# Altium PCB CNC_controller.PcbDoc (part 2 of 2)
Units mil, origin at the board's own origin, x right, y up, seen from the top; angles counter-clockwise.
Board outline 3937.01 x 3425.2 mil, 2 copper layers (Top Layer, Bottom Layer); 117 components, 108 nets, 430 pads, 175 vias.
Unrouted connection lines stored in the file: 30.
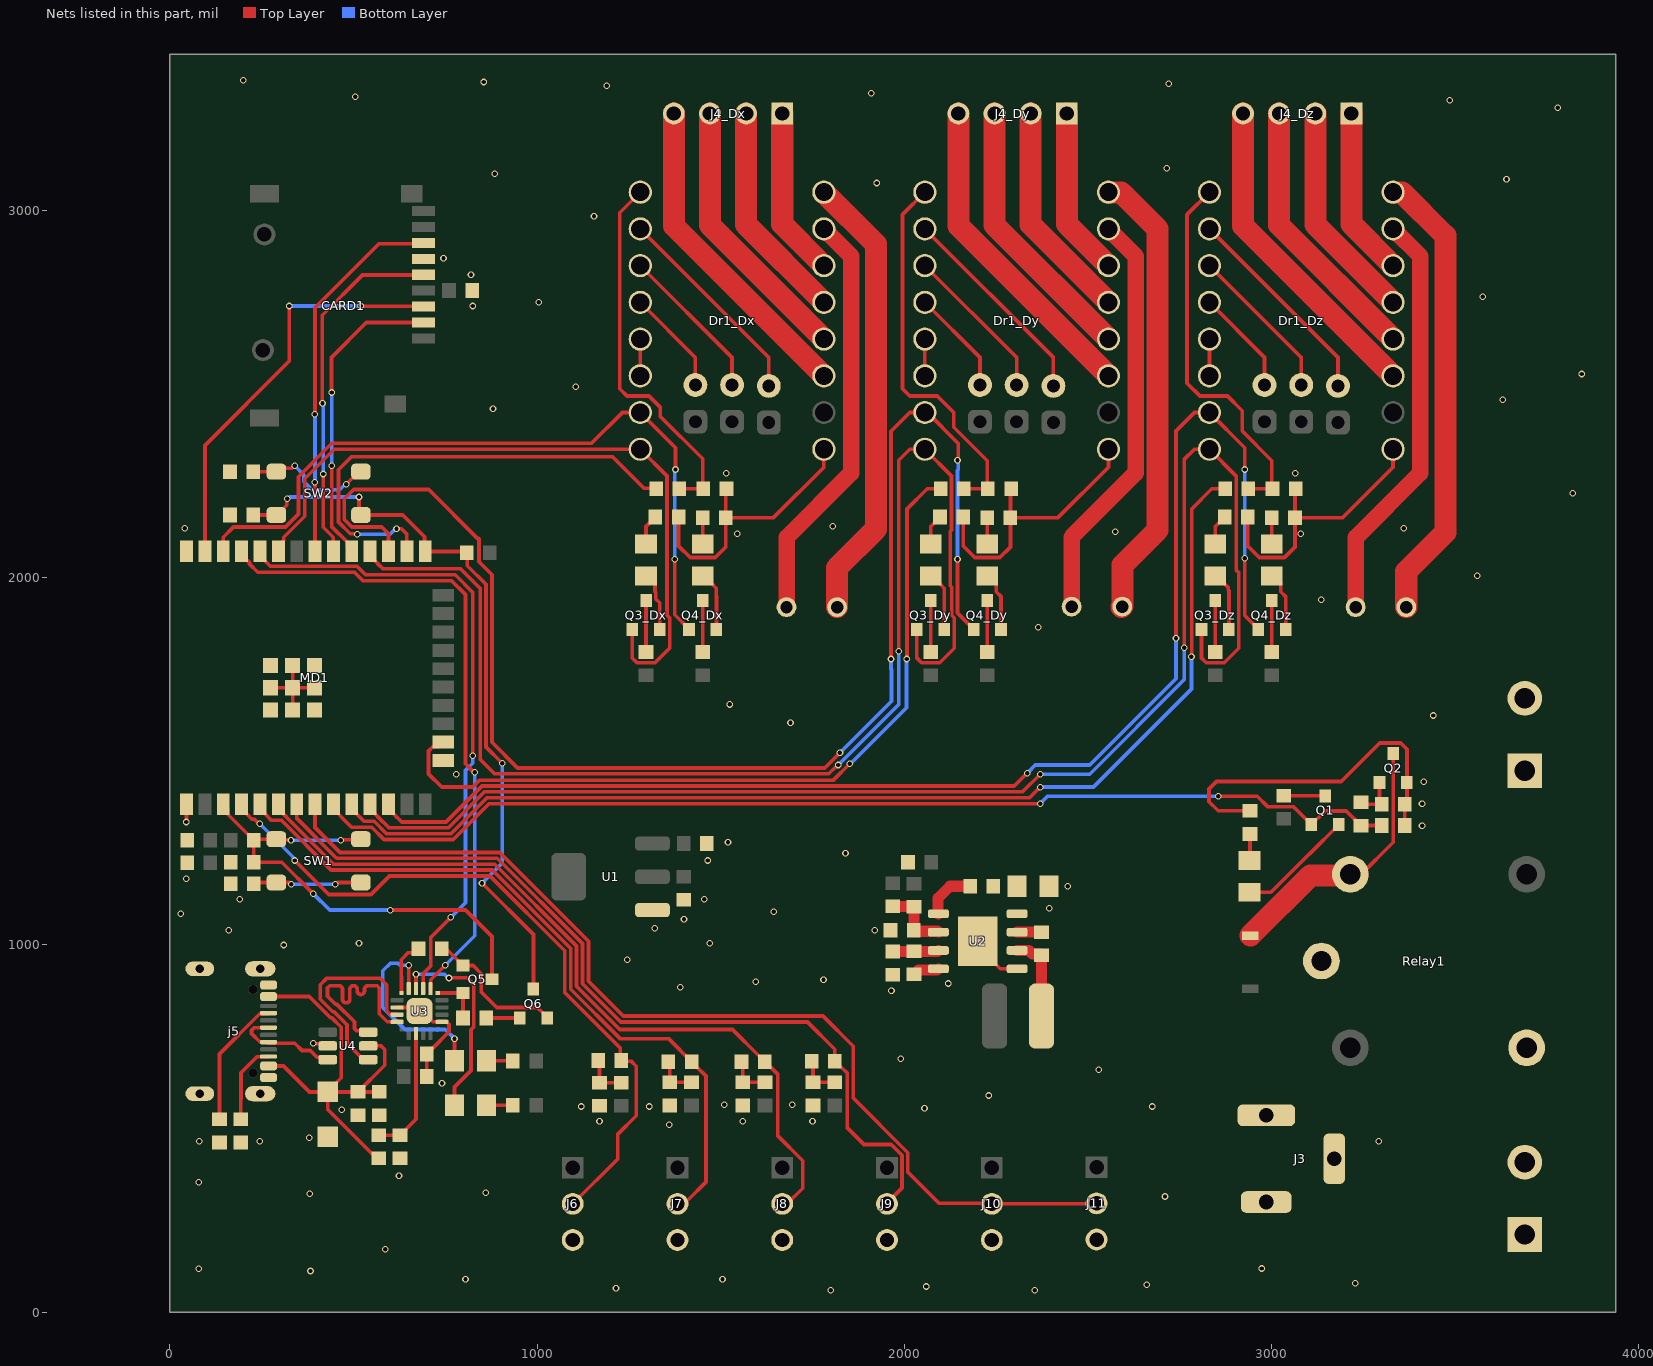
[diagram p2: the nets of this part, all layers, seen from the top]

## Via types
v1: diameter 18, hole 12, Top Layer to Bottom Layer, 175 vias

## Nets (pads, with @x,y where several pads share a name; then routed paths per layer and width w, separated by ;. In a path a pad name is that pad's centre, name@x,y a point inside that pad or via, vN(x,y) a via of type N, cw(c..) or ccw(c..) an arc to the next point about the centre after c; other vN are vias at no path point) (continued)
C_D_P: j5.A6 j5.B6 U4.3 | length 297.7
  Top Layer w10: j5.A6@271.41,775 230,775 222.34,767.34 222.34,759.05 246.39,735 266.3,735 268.6,732.69 339.93,732.69 359.91,712.71 382.29,712.71 400.72,694.28 423.27,694.28 U4.3@429.95,687.6
CS_SD: CARD1.2 MD1.29 | length 846.2
  Top Layer w10: v1(440.36,2504.64) 440,2505 440,2600 535,2695 CARD1.2@695.35,2695 ; v1(440.73,2305) 440.36,2304.64 440.36,2139.64 482.88,2097.12 482.88,2084.26 MD1.29@495.38,2071.76
  Bottom Layer w10: v1(440.36,2504.64) 440.36,2305.36 v1(440.73,2305)
D_N: U3.5 U4.6 | length 566.2
  Top Layer w10: U4.6@540.19,762.4 536.05,766.54 508.4,766.54 502.54,772.39 502.54,790.85 455.19,838.2 451.56,838.2 429.13,860.63 429.13,883.14 434.99,889 459.99,889 cw(c459.99,879) 469.99,879 469.99,852.2 ccw(c479.99,852.2) 489.99,852.2 489.99,879 cw(c499.99,879) 509.99,879 509.99,875.28 ccw(c519.99,875.28) 529.99,875.28 529.99,879 cw(c539.99,879) 539.99,889 564.4,889 569.09,884.31 570.26,883.14 570.26,812.83 592.02,791.06 606.26,791.06 607.17,790.16 U3.5@618.98,790.16
D_P: U3.4 U4.4 | length 567
  Top Layer w10: U4.4@540.19,687.6 527.32,687.6 482.54,732.38 482.54,782.56 446.91,818.2 443.28,818.2 409.13,852.35 409.13,891.43 426.7,909 484.78,909 572.69,909 590.26,891.43 590.26,821.11 600.31,811.06 618.07,811.06 U3.4@618.98,810.16
DIR_Dx: Dr1_Dx.8 MD1.33 Q3_Dx.1 | length 1950.5
  Top Layer w10: MD1.33@295.38,2071.76 307.88,2084.26 307.88,2100 310,2102.11 310,2110 367.55,2167.55 367.55,2269.92 447.63,2350 Dr1_Dx.8@1281.02,2350 1353.6,2277.42 1353.6,1898.13 1360.85,1890.88 1360.85,1808.04 1321.26,1768.45 1272.14,1768.45 1259.3,1781.29 Q3_Dx.1@1259.3,1858.79
DIR_Dy: Dr1_Dy.8 MD1.28 Q3_Dy.1 | length 3576.1
  Top Layer w10: MD1.28@545.38,2071.76 545.38,2059.76 566.88,2038.26 566.88,2037.7 580.38,2024.21 681.05,2024.21 791.34,2024.21 845,1970.55 845,1505 884,1466 1794.49,1466 1818.49,1490 v1(1820,1490) ; v1(1985,1800) 1985,2320 2015,2350 Dr1_Dy.8@2056.02,2350 2128.6,2277.42 2128.6,2129.64 2125,2126.04 2125,1978.27 2129,1974.27 2129,1897.73 2135.85,1890.88 2135.85,1808.04 2096.26,1768.45 2047.14,1768.45 2034.3,1781.29 Q3_Dy.1@2034.3,1858.79
  Bottom Layer w10: v1(1820,1490) 1985,1655 v1(1985,1800)
DIR_Dz: Dr1_Dz.8 MD1.11 Q3_Dz.1 | length 3873.7
  Top Layer w10: MD1.11@545.38,1382.78 545.38,1370.78 566.88,1349.28 566.88,1348.72 596.61,1319 758.75,1319 856.75,1417 2322,1417 v1(2370,1465) ; v1(2762,1809) 2762,2322 2790,2350 Dr1_Dz.8@2831.02,2350 2903.6,2277.42 2903.6,2021.4 2910.85,2014.15 2910.85,1808.04 2871.26,1768.45 2822.15,1768.45 2809.3,1781.29 Q3_Dz.1@2809.3,1858.79
  Bottom Layer w10: v1(2370,1465) 2505,1465 2762,1722 v1(2762,1809)
DTR: R28.2 U3.1 | length 150.4
  Top Layer w10: U3.1@630.73,869.27 630.73,913.84 630,914.57 630,959.84 649.36,979.2 666.2,979.2 R28.2@677,990
EN_Dx: Dr1_Dx.1 R13_Dx.2 R14_Dx.2 | length 1037.7
  Top Layer w10: Dr1_Dx.1@1281.02,3050 1225,2993.99 1225,2515 1245,2495 1305,2495 1335,2465 1335,2440 1451,2324 R14_Dx.2@1451,2242.33 ; R13_Dx.2@1387.1,2242.33 R14_Dx.2@1451,2242.33 ; R14_Dx.2@1451,2230 R14_Dx.2@1451,2242.33 ; R14_Dx.2@1452.8,2242.33 R14_Dx.2@1451,2242.33
EN_Dy: Dr1_Dy.1 R13_Dy.2 R14_Dy.2 | length 1050.6
  Top Layer w10: Dr1_Dy.1@2056.02,3050 1995,2988.99 1995,2515 2015,2495 2090,2495 2135,2450 2135,2410 2226,2319 R14_Dy.2@2226,2242.33 ; R13_Dy.2@2162.1,2242.33 R14_Dy.2@2226,2242.33 ; R14_Dy.2@2226,2230 R14_Dy.2@2226,2242.33 ; R14_Dy.2@2227.8,2242.33 R14_Dy.2@2226,2242.33
EN_Dz: Dr1_Dz.1 R13_Dz.2 R14_Dz.2 | length 1050.6
  Top Layer w10: Dr1_Dz.1@2831.02,3050 2770,2988.99 2770,2530 2805,2495 2880,2495 2920,2455 2920,2400 3001,2319 R14_Dz.2@3001,2242.33 ; R13_Dz.2@2937.1,2242.33 R14_Dz.2@3001,2242.33 ; R14_Dz.2@3001,2230 R14_Dz.2@3001,2242.33 ; R14_Dz.2@3002.8,2242.33 R14_Dz.2@3001,2242.33
ESP32_EN: C13.1 MD1.3 Q5.3 R15.1 SW1.2 | length 1337.5
  Top Layer w10: MD1.3@145.38,1382.78 157.88,1370.28 157.88,1355.79 213.23,1300.44 214.73,1300.44 228.23,1286.94 R15.1@228.23,1285.44 ; v1(329.85,1284.85) 328.32,1286.38 291.58,1286.38 SW1.2@289.84,1288.11 230.9,1288.11 R15.1@228.23,1285.44 ; v1(390,1140) 304.96,1225.04 C13.1@228.23,1225.04 R15.1@228.23,1285.44 ; v1(465,1285) 466.53,1286.53 518.58,1286.53 SW1.2@520.16,1288.11 ; v1(600,1095) 805,1095 876.97,1023.03 Q5.3@876.97,906.61
  Bottom Layer w10: v1(329.85,1284.85) 329.92,1284.92 464.92,1284.92 v1(465,1285) ; v1(390,1140) 435,1095 v1(600,1095)
GND: C1.2 C4.2 C5.2 C6.2 C7.2 C8.2 C9_Dx.2 C9_Dy.2 C9_Dz.2 C10.2 C11.2 C12.2 C13.2 C14.2 C15.2 C16.2 C17.2 C18.2 CARD1.6 D7.2 Dr1_Dx.10 Dr1_Dx.16 Dr1_Dy.10 Dr1_Dy.16 Dr1_Dz.10 Dr1_Dz.16 J3.2 J3.3 j5.0 j5.A1/B12 j5.B1/A12 J6.3 J7.3 J8.3 J9.3 J10.3 J11.3 MD1.1 MD1.15 MD1.38 MD1.39 MD1.40 MD1.41 MD1.42 MD1.43 MD1.44 MD1.45 MD1.46 MD1.47 Q2.2 R3.2 R4.1 R8.1 R11_Dx.1 R11_Dy.1 R11_Dz.1 R12_Dx.1 R12_Dy.1 R12_Dz.1 R14_Dx.1 R14_Dy.1 R14_Dz.1 R20.1 R21.1 R22.1 R29.1 R30.1 R31.1 R35.1 R36.1 R38.1 U1.1 U2.5 U2.9 U3.3 U3.12 U3.21 U4.2 | length 7427.5
  Top Layer w10: v1(45,1335) 45,1382.4 MD1.1@45.38,1382.78 MD1.1@47.23,1380.93 ; MD1.47@274.32,1700.5 MD1.39@334.36,1700.5 ; MD1.41@334.36,1640.46 MD1.39@334.36,1700.5 ; MD1.45@334.36,1760.54 MD1.39@334.36,1700.5 ; v1(390.57,732.71) 392.1,731.18 423.7,731.18 U4.2@429.88,725 ; MD1.43@394.4,1700.5 MD1.39@334.36,1700.5 ; U3.3@618.98,829.84 670.16,829.84 U3.21@680,820 686.88,820 715.79,791.09 U3.12@741.02,791.09 ; C18.2@699.89,641.76 699.89,704.76 713.39,718.26 714.89,718.26 760,763.37 760,783.42 754.14,789.28 754.03,789.28 752.84,790.47 U3.12@741.02,790.47 ; R11_Dx.1@1385.3,2165.31 1385.3,2086.64 1416.91,2055.02 1485.08,2055.02 1514,2083.94 R14_Dx.1@1514,2242.33 ; R12_Dx.1@1514,2163.81 1643.81,2163.81 1781.02,2301.02 Dr1_Dx.16@1781.02,2350 ; R11_Dy.1@2160.3,2165.31 2160.3,2086.64 2191.91,2055.02 2260.08,2055.02 2289,2083.94 R14_Dy.1@2289,2230 ; U2.9@2200,1010 2200,996.42 2260.98,935.44 2306.85,935.44 U2.5@2307.28,935 ; R12_Dy.1@2289,2163.81 2418.81,2163.81 2556.02,2301.02 Dr1_Dy.16@2556.02,2350 ; R11_Dz.1@2935.3,2165.31 2935.3,2086.64 2966.91,2055.02 3035.08,2055.02 3064,2083.94 R14_Dz.1@3064,2230 ; R4.1@2941.45,1365.19 2854.81,1365.19 2829.81,1390.19 2829.81,1424.81 2850,1445 3190,1445 3294.81,1549.81 3351.8,1549.81 3368.9,1532.71 Q2.2@3368.9,1442.35 3368.9,1388.9 R3.2@3363,1383 C1.2@3363,1325.14 ; R12_Dz.1@3064,2163.81 3193.81,2163.81 3331.02,2301.02 Dr1_Dz.16@3331.02,2350
  Top Layer w45: C9_Dx.2@1680,1923.9 1680,2110 1855,2285 1855,2876.02 Dr1_Dx.10@1781.02,2950 ; C9_Dy.2@2455.63,1921.43 2455.63,2110.63 2630,2285 2630,2876.02 Dr1_Dy.10@2556.02,2950 ; C9_Dz.2@3230,1924.16 3230,2110 3405,2285 3405,2876.02 Dr1_Dz.10@3331.02,2950
  other v1: 1800,60 2355,60 1215,65 2060,70 2660,75 3228.35,78.74 805,90 1505,90 383,112 78.74,118.11 2973,119 587,171 2710,315 381,322 860,325 78.74,354.33 624,371 80,465 245,465 3292,465 380,475 1360,510 1170,520 1560,520 1750,520 468,551 2055,555 1120,560 1305,560 2675,560 1510,565 1695,565 2230,590 741,623 2530,660 1990,690 1965,875 1390,885 2120,895 1595,900 1780,905 1245,960 310,1000 515,1005 1470,1005 160,1040 1920,1040 1320,1045 1400,1070 30,1085 1645,1090 2395,1100 190,1125 1455,1125 2445,1160 45,1180 1465,1230 1840,1250 1520,1280 3410,1325 3410,1385 3415,1445 780,1465 1690,1605 3440,1625 1525,1655 2365,1865 3135,1940 3560,2005 1545,2120 3080,2120 2575,2125 40,2135 3360,2135 1805,2140 3820,2230 1515,2285 3065,2285 880,2460 3630,2485 1105,2520 3845,2555 825,2740 1005,2750 3575,2765 820,2825 745,2870 1155,2985 1925,3075 3640,3085 885,3100 2715,3115 3780,3280 3485,3300 505,3310 1910,3320 1190,3340 2720,3345 855,3350 200,3355
GND_Spindle: J1.1 J2.1
GPIO_0: C14.1 MD1.25 Q6.3 R27.1 SW2.2 | length 2034.4
  Top Layer w10: C14.1@226.77,2170.95 291.61,2170.95 318.47,2197.8 318.47,2213.47 v1(320,2215) ; v1(515,2220) 515,2176.1 SW2.2@520.16,2170.95 634.06,2170.95 693.36,2111.64 693.36,2073.78 MD1.25@695.38,2071.76 810,2071.76 810,2033 861,1982 861,1539 v1(905,1495) ; v1(850,1168) 850.53,1168 990.07,1028.46 Q6.3@990.07,879.88
  Bottom Layer w10: v1(320,2215) 322.17,2215 327.17,2220 v1(515,2220) ; v1(850,1168) 905,1223 v1(905,1495)
M1x_Dx: Dr1_Dx.2 Dr1_Dx.18 | length 572.5
  Top Layer w10: Dr1_Dx.2@1281.02,2950 1631.02,2600 Dr1_Dx.18@1631.02,2522.5
M1x_Dy: Dr1_Dy.2 Dr1_Dy.18 | length 572.5
  Top Layer w10: Dr1_Dy.2@2056.02,2950 2406.02,2600 Dr1_Dy.18@2406.02,2522.5
M1x_Dz: Dr1_Dz.2 Dr1_Dz.18 | length 572.5
  Top Layer w10: Dr1_Dz.2@2831.02,2950 3181.02,2600 Dr1_Dz.18@3181.02,2522.5
M2x_Dx: Dr1_Dx.3 Dr1_Dx.20 | length 428.6
  Top Layer w10: Dr1_Dx.3@1281.02,2850 1531.02,2600 Dr1_Dx.20@1531.02,2525
M2x_Dy: Dr1_Dy.3 Dr1_Dy.20 | length 428.6
  Top Layer w10: Dr1_Dy.3@2056.02,2850 2306.02,2600 Dr1_Dy.20@2306.02,2525
M2x_Dz: Dr1_Dz.3 Dr1_Dz.20 | length 428.6
  Top Layer w10: Dr1_Dz.3@2831.02,2850 3081.02,2600 Dr1_Dz.20@3081.02,2525
M3x_Dx: Dr1_Dx.4 Dr1_Dx.22 | length 287.1
  Top Layer w10: Dr1_Dx.4@1281.02,2750 1431.02,2600 Dr1_Dx.22@1431.02,2525
M3x_Dy: Dr1_Dy.4 Dr1_Dy.22 | length 287.1
  Top Layer w10: Dr1_Dy.4@2056.02,2750 2206.02,2600 Dr1_Dy.22@2206.02,2525
M3x_Dz: Dr1_Dz.4 Dr1_Dz.22 | length 287.1
  Top Layer w10: Dr1_Dz.4@2831.02,2750 2981.02,2600 Dr1_Dz.22@2981.02,2525
MISO: CARD1.7 MD1.31 | length 1030.9
  Top Layer w10: v1(395,2260) 395,2072.14 MD1.31@395.38,2071.76 ; v1(395,2445) 395,2735 570,2910 CARD1.7@690,2910
  Bottom Layer w10: v1(395,2260) v1(395,2445)
MOSI: CARD1.3 MD1.37 | length 1124.4
  Top Layer w10: MD1.37@95.38,2071.76 95.38,2360.38 325,2590 v1(325,2740) ; v1(520,2740) 520.75,2739.25 CARD1.3@685.75,2739.25
  Bottom Layer w10: v1(325,2740) v1(520,2740)
NetC2_1: C2.1 L1.1 U2.6 | length 237.4
  Top Layer w30: U2.6@2307.28,985 2340,985 2349.5,975.5 2370.33,975.5 C2.1@2373.83,972 L1.1@2373.83,806.49
NetC2_2: C2.2 U2.7 | length 66.5
  Top Layer w30: U2.7@2307.28,1035 C2.2@2373.83,1035
NetC3_2: C3.2 R6.1 R8.2 U2.2 | length 192.7
  Top Layer w30: R6.1@1968.17,1105.2 1969.17,1104.21 C3.2@2026.17,1104.21 2026.17,1040.53 R8.2@2025.31,1039.66 2027.64,1037.33 2090.39,1037.33 U2.2@2092.72,1035
NetC8_1: C8.1 R7.1 U2.3 | length 125.7
  Top Layer w30: C8.1@1968.17,982.31 2090.03,982.31 U2.3@2092.72,985
NetD1_1: D1.1 Q2.3 Relay1.5 | length 728.3
  Top Layer w10: Relay1.5@3241.09,1189.19 3331.5,1279.6 Q2.3@3331.5,1521.09
  Top Layer w60: D1.1@2942.37,1025.47 3106.09,1189.19 Relay1.5@3233.53,1189.19
NetD2_1: D2.1 Q1.2 | length 363.6
  Top Layer w10: D2.1@2945,1133.39 D2.1@2948.94,1133.39 ; 2978.67,1143.67 2940.28,1143.67 D2.1@2940,1143.39 2998.39,1143.39 3105,1250 3105,1249.15 Q1.2@3183.38,1327.53
NetD2_2: D2.2 R4.2 | length 72.8
  Top Layer w10: D2.2@2940,1230 2941.45,1231.45 R4.2@2941.45,1302.19
NetD3_Dx_1: D3_Dx.1 Q4_Dx.2 | length 181.2
  Top Layer w10: D3_Dx.1@1451,2005 1454.94,2005 1475.53,1984.41 1488.2,1971.73 1488.2,1949.35 1488.4,1949.15 Q4_Dx.2@1488.4,1858.79 1488.4,1856.82 Q4_Dx.2@1499.15,1846.07
NetD3_Dx_2: D3_Dx.2 R12_Dx.2 | length 72.2
  Top Layer w10: D3_Dx.2@1451,2091.61 R12_Dx.2@1451,2163.81
NetD3_Dy_1: D3_Dy.1 Q4_Dy.2 | length 181.2
  Top Layer w10: D3_Dy.1@2226,2005 2229.94,2005 2250.53,1984.41 2250.53,1962.02 2263.4,1949.15 Q4_Dy.2@2263.4,1858.79 2263.4,1856.82 Q4_Dy.2@2274.15,1846.07
NetD3_Dy_2: D3_Dy.2 R12_Dy.2 | length 72.2
  Top Layer w10: D3_Dy.2@2226,2091.61 R12_Dy.2@2226,2163.81
NetD3_Dz_1: D3_Dz.1 Q4_Dz.2 | length 181.2
  Top Layer w10: D3_Dz.1@3001,2005 3004.94,2005 3025.53,1984.41 3025.53,1962.02 3038.4,1949.15 Q4_Dz.2@3038.4,1858.79 3038.4,1856.82 Q4_Dz.2@3049.15,1846.07
NetD3_Dz_2: D3_Dz.2 R12_Dz.2 | length 72.2
  Top Layer w10: D3_Dz.2@3001,2091.61 R12_Dz.2@3001,2163.81
NetD4_Dx_1: D4_Dx.1 Q3_Dx.2 | length 164
  Top Layer w10: D4_Dx.1@1296.7,2005 1300.64,2005 1321.23,1984.41 1321.23,1962.02 1323.45,1959.8 1323.45,1942.47 1334.1,1931.81 Q3_Dx.2@1334.1,1858.79
NetD4_Dx_2: D4_Dx.2 R11_Dx.2 | length 84.3
  Top Layer w10: D4_Dx.2@1296.7,2091.61 1296.7,2139.71 R11_Dx.2@1322.3,2165.31
NetD4_Dy_1: D4_Dy.1 Q3_Dy.2 | length 164
  Top Layer w10: D4_Dy.1@2071.7,2005 2075.64,2005 2096.23,1984.41 2109.1,1971.54 Q3_Dy.2@2109.1,1858.79
NetD4_Dy_2: D4_Dy.2 R11_Dy.2 | length 84.3
  Top Layer w10: D4_Dy.2@2071.7,2091.61 2071.7,2139.71 R11_Dy.2@2097.3,2165.31
NetD4_Dz_1: D4_Dz.1 Q3_Dz.2 | length 164
  Top Layer w10: D4_Dz.1@2846.7,2005 2850.64,2005 2881.88,1973.76 2881.88,1966.82 2884.1,1964.6 Q3_Dz.2@2884.1,1858.79
NetD4_Dz_2: D4_Dz.2 R11_Dz.2 | length 84.3
  Top Layer w10: D4_Dz.2@2846.7,2091.61 2846.7,2139.71 R11_Dz.2@2872.3,2165.31
NetD5_1: D5.1 R33.2 | length 72.2
  Top Layer w10: D5.1@862.02,684.26 R33.2@934.21,684.26
NetD5_2: D5.2 U3.20 | length 535.4
  Top Layer w10: v1(650,945) 650.24,944.76 650.24,881.26 U3.20@650.47,881.02 ; v1(775,745) 775,684.66 D5.2@775.4,684.26
  Bottom Layer w10: v1(650,945) 649.82,945.18 626,945.18 621.42,949.76 599.76,949.76 580,930 580,830 640,770 750,770 v1(775,745)
NetD6_1: D6.1 R34.1 | length 72.2
  Top Layer w10: D6.1@862.02,563.26 R34.1@934.21,563.26
NetD6_2: D6.2 U3.19 | length 559.3
  Top Layer w10: U3.19@670.16,881.02 670.2,881.06 v1(670.24,920) v1(670.24,920) ; v1(760,910) 760.37,910.37 809.63,910.37 827.73,892.27 827.73,776.58 820,768.85 820,658.18 775,613.18 775,563.66 D6.2@775.4,563.26
  Bottom Layer w10: v1(670.24,920) 747.84,920 757.84,910 v1(760,910)
NetDr1_Dx_5: Dr1_Dx.5 Dr1_Dx.6 | length 100
  Top Layer w10: Dr1_Dx.6@1281.02,2550 Dr1_Dx.5@1281.02,2650
NetDr1_Dx_11: Dr1_Dx.11 J4_Dx.1 | length 461.3
  Top Layer w60: J4_Dx.1@1667.64,3264.33 1667.64,2963.38 Dr1_Dx.11@1781.02,2850
NetDr1_Dx_12: Dr1_Dx.12 J4_Dx.2 | length 602.1
  Top Layer w60: J4_Dx.2@1569.21,3264.33 1569.21,2961.8 Dr1_Dx.12@1781.02,2750
NetDr1_Dx_13: Dr1_Dx.13 J4_Dx.3 | length 742.8
  Top Layer w60: J4_Dx.3@1470.79,3264.33 1470.79,2960.23 Dr1_Dx.13@1781.02,2650
NetDr1_Dx_14: Dr1_Dx.14 J4_Dx.4 | length 883.6
  Top Layer w60: J4_Dx.4@1372.36,3264.33 1372.36,2958.65 Dr1_Dx.14@1781.02,2550
NetDr1_Dy_5: Dr1_Dy.5 Dr1_Dy.6 | length 100
  Top Layer w10: Dr1_Dy.6@2056.02,2550 Dr1_Dy.5@2056.02,2650
NetDr1_Dy_11: Dr1_Dy.11 J4_Dy.1 | length 461.3
  Top Layer w60: J4_Dy.1@2442.64,3264.33 2442.64,2963.38 Dr1_Dy.11@2556.02,2850
NetDr1_Dy_12: Dr1_Dy.12 J4_Dy.2 | length 602.1
  Top Layer w60: J4_Dy.2@2344.21,3264.33 2344.21,2961.8 Dr1_Dy.12@2556.02,2750
NetDr1_Dy_13: Dr1_Dy.13 J4_Dy.3 | length 742.8
  Top Layer w60: J4_Dy.3@2245.79,3264.33 2245.79,2960.23 Dr1_Dy.13@2556.02,2650
NetDr1_Dy_14: Dr1_Dy.14 J4_Dy.4 | length 883.6
  Top Layer w60: J4_Dy.4@2147.36,3264.33 2147.36,2958.65 Dr1_Dy.14@2556.02,2550
NetDr1_Dz_5: Dr1_Dz.5 Dr1_Dz.6 | length 100
  Top Layer w10: Dr1_Dz.6@2831.02,2550 Dr1_Dz.5@2831.02,2650
NetDr1_Dz_11: Dr1_Dz.11 J4_Dz.1 | length 461.3
  Top Layer w60: J4_Dz.1@3217.64,3264.33 3217.64,2963.38 Dr1_Dz.11@3331.02,2850
NetDr1_Dz_12: Dr1_Dz.12 J4_Dz.2 | length 602.1
  Top Layer w60: J4_Dz.2@3119.21,3264.33 3119.21,2961.8 Dr1_Dz.12@3331.02,2750
NetDr1_Dz_13: Dr1_Dz.13 J4_Dz.3 | length 742.8
  Top Layer w60: J4_Dz.3@3020.79,3264.33 3020.79,2960.23 Dr1_Dz.13@3331.02,2650
NetDr1_Dz_14: Dr1_Dz.14 J4_Dz.4 | length 883.6
  Top Layer w60: J4_Dz.4@2922.36,3264.33 2922.36,2958.65 Dr1_Dz.14@3331.02,2550
NetJ1_2: J1.2 Relay1.3
Netj5_A5: j5.A5 R36.2 | length 357.8
  Top Layer w10: R36.2@135,525 135,703.3 243.14,811.43 246.08,811.43 247.96,813.31 267.7,813.31 j5.A5@268.6,814.21
Netj5_B5: j5.B5 R35.2 | length 221.9
  Top Layer w10: R35.2@193,525 193,582.43 193.63,581.8 193.63,652.22 236.6,695.2 267.7,695.2 j5.B5@268.6,696.1
NetMD1_10: MD1.10 R13_Dz.1 | length 3095.2
  Top Layer w10: MD1.10@495.38,1382.78 495.38,1370.22 528.84,1336.76 556.21,1336.76 589.98,1303 765.37,1303 863.37,1401 2341,1401 v1(2370,1430) ; v1(2782,1785) 2782.55,1785.55 2782.55,2187.55 2837.33,2242.33 R13_Dz.1@2874.1,2242.33
  Bottom Layer w10: v1(2370,1430) 2515,1430 2782,1697 v1(2782,1785)
NetMD1_16: MD1.16 R13_Dy.1 | length 2175.6
  Top Layer w10: MD1.16@744.59,1552.27 732.09,1539.77 715.86,1539.77 704.09,1528 704.09,1465.91 740,1430 824.49,1430 843.49,1449 1807.28,1449 v1(1851.64,1493.36) ; v1(2006.21,1778.79) 2007.55,1780.13 2007.55,2187.55 2062.33,2242.33 R13_Dy.1@2099.1,2242.33
  Bottom Layer w10: v1(1851.64,1493.36) 1853.81,1493.36 2006.21,1645.76 v1(2006.21,1778.79)
NetMD1_26: MD1.26 R13_Dx.1 | length 1318.4
  Top Layer w10: v1(510,2118.29) 508.47,2119.82 491.21,2119.82 459,2152.03 459,2294 495,2330 1205,2330 1291.17,2243.83 1322.6,2243.83 R13_Dx.1@1324.1,2242.33 ; v1(617,2134) 617.47,2133.53 630.47,2133.53 645.38,2118.62 MD1.26@645.38,2071.76
  Bottom Layer w10: v1(510,2118.29) 599.13,2118.29 614.84,2134 v1(617,2134)
NetQ1_3: Q1.3 R1.1 | length 112.3
  Top Layer w10: R1.1@3033.69,1406.27 Q1.3@3145.98,1406.27
NetQ2_1: Q2.1 R2.2 R3.1 | length 118.3
  Top Layer w10: R2.2@3243.5,1383 R3.1@3300,1383 3294.1,1388.9 Q2.1@3294.1,1442.35
NetQ3_Dx_3: Q3_Dx.3 R9_Dx.1 | length 139.6
  Top Layer w10: R9_Dx.1@1296.7,1797.95 Q3_Dx.3@1296.7,1937.53
NetQ3_Dy_3: Q3_Dy.3 R9_Dy.1 | length 139.6
  Top Layer w10: R9_Dy.1@2071.7,1797.95 Q3_Dy.3@2071.7,1937.53
NetQ3_Dz_3: Q3_Dz.3 R9_Dz.1 | length 139.6
  Top Layer w10: R9_Dz.1@2846.7,1797.95 Q3_Dz.3@2846.7,1937.53
NetQ4_Dx_3: Q4_Dx.3 R10_Dx.1 | length 139.6
  Top Layer w10: R10_Dx.1@1451,1797.95 Q4_Dx.3@1451,1937.53
NetQ4_Dy_3: Q4_Dy.3 R10_Dy.1 | length 139.6
  Top Layer w10: R10_Dy.1@2226,1797.95 Q4_Dy.3@2226,1937.53
NetQ4_Dz_3: Q4_Dz.3 R10_Dz.1 | length 139.6
  Top Layer w10: R10_Dz.1@3001,1797.95 Q4_Dz.3@3001,1937.53
NetQ5_1: Q5.1 Q6.2 R28.1 | length 383
  Top Layer w10: R28.1@753.68,988.57 785.51,956.73 785.51,954.76 796.26,944.02 825.98,944.02 848.25,921.75 848.25,871.75 890.14,829.86 1000.72,829.86 1016.72,813.86 1027.47,803.11 Q6.2@1027.47,801.14
NetQ6_1: Q6.1 R32.1 | length 91.4
  Top Layer w10: R32.1@861.23,801.14 Q6.1@952.67,801.14
NetR5_2: R5.2 U2.1 | length 143
  Top Layer w30: U2.1@2092.72,1085 2092.43,1085.29 2092.43,1127.43 2124.89,1159.89 R5.2@2179.44,1159.89
NetR7_2: R7.2 U2.4 | length 72.7
  Top Layer w30: R7.2@2026.17,920.16 2027.67,920.16 2039.32,931.81 2089.53,931.81 U2.4@2092.72,935
NetR16_2: R16.2 R18.1 R21.2 | length 118.6
  Top Layer w10: R18.1@1556.69,682.26 1560.19,678.76 R21.2@1560.19,625.76 R16.2@1620.85,625.76
NetR17_2: R17.2 R19.1 R22.2 | length 116.5
  Top Layer w10: R19.1@1169.93,681.76 R22.2@1169.93,624.76 R17.2@1229.43,624.76
NetR20_2: R20.2 SW1.1 | length 297.4
  Top Layer w10: R20.2@228.23,1166.91 231.33,1170 SW1.1@289.84,1170 325,1170 v1(330,1165) ; v1(450,1165) 452.17,1165 457.17,1170 SW1.1@520.16,1170
  Bottom Layer w10: v1(330,1165) v1(450,1165)
NetR23_2: R23.2 R25.1 R29.2 | length 118.4
  Top Layer w10: R25.1@1747.67,683.19 1751.17,679.69 R29.2@1751.17,625.76 R23.2@1810.67,625.76
NetR24_2: R24.2 R26.1 R30.2 | length 117.4
  Top Layer w10: R26.1@1357.67,682.26 1361.17,678.76 R30.2@1361.17,625.76 R24.2@1420.67,625.76
NetR31_2: R31.2 SW2.1 | length 358.1
  Top Layer w10: R31.2@226.77,2288.75 227.07,2289.06 SW2.1@289.84,2289.06 299.37,2298.58 331.42,2298.58 337.84,2305 v1(340,2305) ; v1(480,2255) 480.59,2255 514.65,2289.06 SW2.1@520.16,2289.06
  Bottom Layer w10: v1(340,2305) 364.12,2280.88 364.12,2262.59 386.72,2240 462.84,2240 477.84,2255 v1(480,2255)
NetR37_1: R37.1 R38.2 U3.8 | length 354
  Top Layer w10: R37.1@568.82,481.76 R38.2@626.82,481.76 628.32,481.76 641.82,495.26 641.82,496.76 670.16,525.1 U3.8@670.16,758.98
RTS: Q5.2 R32.2 U3.16 | length 131.1
  Top Layer w10: U3.16@729.21,869.21 Q5.2@798.23,869.21 ; R32.2@798.23,801.14 Q5.2@798.23,863.18
RXD0: MD1.34 U3.18 | length 1767.9
  Top Layer w10: MD1.34@244.82,2071.19 244.82,2060.32 266.25,2038.88 266.25,2038.33 273.33,2031.26 509.74,2031.26 532.79,2008.21 776.8,2008.21 825,1960 v1(825,1515) ; U3.18@689.84,881.02 690.24,881.42 690.24,922.19 710.5,942.46 710.5,1020.5 v1(765,1075)
  Bottom Layer w10: v1(765,1075) 805,1115 805,1475 825,1495 v1(825,1515)
SCK: CARD1.5 MD1.30 | length 974.1
  Top Layer w10: v1(415.5,2475) 415,2475.5 415,2715 524.34,2824.34 689.34,2824.34 CARD1.5@690,2825 ; v1(417.68,2282.5) 417.68,2137.32 444.6,2110.4 444.6,2072.54 MD1.30@445.38,2071.76
  Bottom Layer w10: v1(415.5,2475) 415.5,2472.84 v1@418.18,2470.15 ; v1@417.68,2285 v1@417.68,2470.15
Sensor_X+: J6.2 MD1.4 R19.2 | length 1957.7
  Top Layer w10: MD1.4@195.38,1382.78 195.38,1370.78 216.25,1349.91 216.25,1349.35 223.33,1342.28 230.56,1342.28 242.84,1330 v1(245,1330) ; v1(340,1230) 432.65,1137.35 547.35,1137.35 598,1188 871.49,1188 1075,984.49 1075,870.75 1226.17,719.58 1226.17,683.39 R19.2@1229.8,683.39 ; J6.2@1097.01,295.01 1220,418 1220,485 1270,535 1270,670 1257.08,682.92 1231.77,682.92 R19.2@1229.43,685.26
  Bottom Layer w10: v1(245,1330) 336,1239 336,1236.17 340,1232.17 v1(340,1230)
Sensor_X-: J7.2 MD1.5 R26.2 | length 1985.4
  Top Layer w10: MD1.5@245.38,1382.78 245.38,1370.78 266.25,1349.91 266.25,1349.35 275.61,1340 302.98,1340 438.98,1204 878.12,1204 1091.5,990.62 1091.5,879.47 1225.97,745 1357.94,745 R26.2@1420.67,682.26 1420.67,680.76 1434.17,667.26 1435.67,667.26 1460,642.94 1460,354.18 1410.27,304.45 1391.77,304.45 J7.2@1382.32,295.01
Sensor_Y+: J8.2 MD1.6 R18.2 | length 2149.7
  Top Layer w10: MD1.6@295.38,1382.78 295.38,1370.78 316.25,1349.91 316.25,1349.35 445.61,1220 884.75,1220 1107.5,997.25 1107.5,887.5 1225,770 1531.95,770 1604.69,697.26 1606.19,697.26 R18.2@1619.69,683.76 ; R18.2@1619.69,682.26 R18.2@1619.69,683.76 ; J8.2@1667.64,295.01 1680.82,295.01 1723.58,337.76 1723.58,412.42 1655,481 1655,648.45 R18.2@1619.69,683.76
Sensor_Y-: J9.2 MD1.7 R25.2 | length 2388.5
  Top Layer w10: MD1.7@345.38,1382.78 345.86,1382.3 345.86,1344.14 454,1236 891.37,1236 1123.5,1003.87 1123.5,894.13 1227.63,790 1736.42,790 1810.67,715.75 R25.2@1810.67,684.69 ; J9.2@1952.95,295.01 1952.95,297.13 1993.64,337.82 1993.64,427.68 1964.55,456.76 1890,456.76 1845,501.76 1845,650.36 1827.17,668.19 1824.17,668.19 1810.67,681.69 R25.2@1810.67,683.19 ; R25.2@1810.67,683.19 R25.2@1810.67,684.69 ; R25.2@1810.67,683.19 R25.2@1810.67,684.69
Sensor_Z: J10.2 J11.2 MD1.8 | length 2793.7
  Top Layer w10: MD1.8@395.38,1382.78 395.38,1319.62 463,1252 898,1252 1139.84,1010.16 1139.84,900.89 1234.39,806.34 1778.66,806.34 1861,724 1861,582.94 2009.64,434.3 2009.64,381.71 2094.44,296.91 2236.37,296.91 J10.2@2238.27,295.01 2238.86,295.6 2522.99,295.6 J11.2@2523.58,296.19
STEP_Dx: Dr1_Dx.7 MD1.36 Q4_Dx.1 | length 2020.2
  Top Layer w10: MD1.36@145.38,2071.76 145.4,2110.4 173.29,2138.29 314.63,2138.29 350,2173.66 350,2275 441,2366 1148.37,2366 1232.37,2450 Dr1_Dx.7@1281.02,2450 1376.85,2354.17 v1(1376.85,2294.85) ; v1(1375,2050) 1375,1899.35 1413.6,1860.76 Q4_Dx.1@1413.6,1858.79
  Bottom Layer w10: v1(1375,2050) 1375,2290.83 1375.32,2291.15 1375.32,2293.24 v1@1375,2293.56
STEP_Dy: Dr1_Dy.7 MD1.27 Q4_Dy.1 | length 3934
  Top Layer w10: MD1.27@595.38,2071.76 595.38,2119.62 576.71,2138.29 495.37,2138.29 475,2158.66 475,2215 500.4,2240.4 704.6,2240.4 837.78,2107.22 ; 840.64,2107.22 841.78,2106.08 841.78,2043.44 877,2008.22 877,1551.72 946.72,1482 1783.72,1482 1794.41,1492.7 1794.41,1493.15 v1(1824.76,1523.49) ; v1(1963.79,1778.79) 1963.79,2398.79 2015,2450 2063.06,2450 2146.53,2366.53 2146.53,2321.53 v1(2145,2320) ; v1(2145,2050) 2145,1904.35 2188.6,1860.76 Q4_Dy.1@2188.6,1858.79
  Bottom Layer w10: v1(1824.76,1523.49) 1965,1663.74 1965,1750.3 1963.79,1751.51 v1(1963.79,1778.79) ; v1(2145,2050) 2145,2293.09 2146.53,2294.62 2146.53,2318.47 v1(2145,2320)
STEP_Dz: Dr1_Dz.7 MD1.12 Q4_Dz.1 | length 3763.5
  Top Layer w10: MD1.12@595.38,1382.78 595.38,1370.78 616.88,1349.28 616.88,1348.72 623.33,1342.28 623.88,1342.28 631.16,1335 752.12,1335 850.12,1433 2299.72,1433 v1(2334.87,1468.16) ; v1(2740,1835) 2740,2400 2790,2450 Dr1_Dz.7@2831.02,2450 2926.85,2354.17 v1(2926.85,2294.85) ; v1(2926.85,2053.47) 2926.85,1897.5 2963.6,1860.76 Q4_Dz.1@2963.6,1858.79
  Bottom Layer w10: v1(2334.87,1468.16) 2335.14,1468.16 2345,1478.02 2345,1478.28 2356.72,1490 2505,1490 2740,1725 v1(2740,1835) ; v1@2926.85,2055 v1@2926.85,2293.56
TRIGGER: C1.1 MD1.9 Q1.1 R2.1 | length 3015.8
  Top Layer w10: MD1.9@445.38,1382.78 445.38,1370.78 466.88,1349.28 466.88,1348.72 494.84,1320.76 549.59,1320.76 583.35,1287 772,1287 870,1385 v1(2370,1385) ; v1(2855,1405) 2960.9,1405 2989.13,1376.77 3059.34,1376.77 3091.1,1345 3095.86,1340.24 3097.83,1340.24 3108.58,1329.5 Q1.1@3108.58,1327.53 3146.05,1365 3203.64,1365 R2.1@3243.5,1325.14 C1.1@3300,1325.14
  Bottom Layer w10: v1(2370,1385) 2390,1405 v1(2855,1405)
TXD0: MD1.35 U3.17 | length 1802
  Top Layer w10: MD1.35@195.38,2071.76 195.38,2059.76 207.88,2047.26 211.02,2047.26 216.88,2041.4 216.88,2037.7 239.33,2015.26 502.74,2015.26 525.79,1992.21 767.21,1992.21 805,1954.42 805,1493.47 828.47,1470 v1(830,1470) ; U3.17@709.53,881.02 710.43,881.93 710.43,905.43 v1(750,945)
  Bottom Layer w10: v1(750,945) 830,1025 v1(830,1470)
VBUS: C15.1 C16.1 D7.1 j5.A4/B9 j5.B4/A9 R37.2 U4.5 | length 1178.3
  Top Layer w10: j5.B4/A9@268.6,670.51 309.49,670.51 380.24,599.76 D7.1@430,599.76 ; j5.A4/B9@268.6,859.49 379.36,859.49 436.65,802.2 440.28,802.2 466.54,775.94 466.54,638.59 D7.1@428.98,601.02 ; D7.1@430,600 D7.1@430,599.76 ; U4.5@540.12,725.01 540.26,725.15 574.85,725.15 585,715 585,672.39 C16.1@512.37,599.76 ; R37.2@558.29,423.43 430,551.72 D7.1@430,599.76 ; C15.1@570.37,599.76 C16.1@512.37,599.76 ; D7.1@430,599.76 C16.1@512.37,599.76
VMOTOR_Dx: C7.1 C9_Dx.1 C9_Dy.1 C9_Dz.1 Dr1_Dx.9 Dr1_Dy.9 Dr1_Dz.9 J3.1 R5.1 U2.8 | length 3724.9
  Top Layer w60: Dr1_Dx.9@1781.59,3049.43 1922.79,2908.23 1922.79,2132.79 1817,2027 C9_Dx.1@1817,1920 ; Dr1_Dy.9@2556.02,3050 2556.59,3049.43 2590.57,3049.43 2690,2950 2690,2130 2594.85,2034.85 2594.85,1922.85 C9_Dy.1@2592,1920 ; Dr1_Dz.9@3331.02,3050 3331.59,3049.43 3355.57,3049.43 3473.5,2931.5 3473.5,2123.52 3367,2017.02 C9_Dz.1@3367,1920
Vspindle: J2.2 Relay1.1
pads on no net: CARD1.1 CARD1.8 CARD1.CD CARD1.NC j5. j5.A8 j5.B8 MD1.13 MD1.14 MD1.17 MD1.18 MD1.19 MD1.20 MD1.21 MD1.22 MD1.23 MD1.24 MD1.32 Relay1.4 U1.4 U3.2 U3.9 U3.10 U3.11 U3.13 U3.14 U3.15

## Polygon pours and split planes (outlines as drawn)
GND on Top Layer "GND_L01_P013" (solid, remove dead copper, pour order 13): 0,3425.2 3937.01,3425.2 3937.01,0 0,0
NetJ1_2 on Top Layer "NETJ1_2_L01_P003" (solid, remove dead copper, pour order 3): 3600,1760 3530,1690 3530,1390 3600,1315 3600,670 3650,620 3725,620 3936.14,620 3937.01,619.13 3937.01,1865 3705,1865
VMOTOR_Dx on Top Layer "VMOTOR_DX_L01_P000" (solid, remove dead copper, pour order 0): 2780,1335 2780,1410 2835,1465 3145,1465 3460,1780 3460,1965 3425,2000 3330,2000 3295,1965 3295,1910 3055,1670 2765,1670 2685,1750 2685,1965 2625,2025 2560,2025 2505,1970 2505,1772.29 2398.26,1670 1980,1670 1905,1745 1905,1970 1850,2025 1790,2025 1730,1965 1730,1702.95 1914.57,1510 2345,1510 2398.26,1456.74 2398.26,1373.26 2305,1280 2270,1280 2215,1225 2215,1130 2265,1080 2280,1065 2350,1065 2370,1085 2370,1105 2357.5,1117.5 2357.5,1190 2372.5,1205 2510,1205 2560,1155 2560,824.29 2846.91,538.4 2846.91,456.91 2881.91,421.91 3070.13,420 3070.19,419.93 3115.84,465 3115.84,582.68 2780,939.84
GND on Top Layer "GND_L01_P015" (solid, remove dead copper, pour order 15): 460,1830 185,1830 185,1575 460,1575
Vspindle on Top Layer "VSPINDLE_L01_P006" (solid, remove dead copper, pour order 6): 3265,642.71 3265,535 3510,290 3705,290 3795,380 3795,495 3690,600 3640,600 3570,670 3570,865 3305,1130 3130,1130 3010,1010 3010,867.71 3137.5,740.21 3167.5,740.21
GND on Bottom Layer "GND_L02_P014" (solid, pour order 14): 0,3425.2 0,0 3467.74,0 3467.74,3425.2
GND_Spindle on Bottom Layer "GND_SPINDLE_L02_P012" (solid, remove dead copper, pour order 12): 3937.01,0 3505,0 3505,1495 3655,1645 3937.01,1645
GND on Bottom Layer "GND_L02_P008" (solid, pour order 8): 3636.31,1671.31 3937.01,1671.31 3937.01,1972.01 3937.38,1972.38 3932.5,3422.5 1727.5,3422.5 1727.5,2957.5 1827.5,2857.5 1827.5,2287.5 1572.5,2032.5 1572.5,1842.5 1667.5,1747.5 1822.5,1747.5 1992.5,1917.5 1992.5,3052.5 2042.5,3102.5 2347.5,3102.5 2602.5,2847.5 2602.5,2292.5 2352.5,2042.5 2347.5,2042.5 2347.5,1847.5 2447.5,1747.5 2597.5,1747.5 2767.5,1917.5 2767.5,3082.5 2787.5,3102.5 3132.5,3102.5 3377.5,2857.5 3377.5,2287.5 3127.5,2037.5 3127.5,1842.5 3020,1735 3020,1155 2900,1035 2900,867.5 3115,652.5 3115,0 3475,0 3475,1510

## Keep-outs
Keep-Out Layer:
  the board outline again, w12

## Other copper
Top Layer:
  pour cut-out: 2157.5,912.5 2157.5,707.5 2200,665 2415,665 2460,710 2460,900 2410,950 2195,950

## Silkscreen, mask and mechanical layers (free items; w line width, h text height)
Top Overlay:
  drawing of 39 lines, arcs and shapes, not listed
  text "X" at 1881.01,3232.71 h200
  text "Y" at 2656.01,3232.71 h200
  text "Z" at 3346.69,3233.27 h200
  text "JEMR" at 3850,3005 h40 r90
  text "JMMV" at 3850,2660 h40 r90
  text "LCYM" at 3850,2315 h40 r90
  text "FIX" at 1770,2215 h30
  text "FIX" at 2530,2215 h30
  text "FIX" at 3345,2215 h30
  text "BOOT" at 575,2205 h70
  text "SPINDLE" at 3650,1800 h60 r90
  text "LASER" at 3745,1800 h60 r90
  text "MAX 9A" at 3814.33,1795 h60 r90
  text "+" at 3856.69,1633.71 h80
  text "-" at 3921.68,1450.18 h80 r90
  text "RESET" at 575,1201 h70
  text "+" at 3860,368.44 h80
  text "-" at 3924.99,184.92 h80 r90
  text "+3v3 / SIGNAL / GND" at 650.09,100 h50
  text "12v" at 2785,65 h50 r90
  text "VCC SPINDLE" at 3515,50 h50 r90
  text "X+" at 1044.68,27.76 h50
  text "X-" at 1330,27.76 h50
  text "Y+" at 1615.31,27.76 h50
  text "Y-" at 1900.63,27.76 h50
  text "Z+" at 2185.94,27.76 h50
  text "Z-" at 2471.26,27.76 h50
Bottom Overlay:
  drawing of 18 lines, arcs and shapes, not listed
  text "CNC_CONTROLLER_CJM v1.0 / NOV 2025" at 3188.98,1889.76 h70
  text "JMMV" at 3144,47 h50
Board Shape:
  the board outline again, w6
Board Shape (Mech3):
  circle w10: c3346.46,118.07 r62.99
  circle w10: c3346.46,314.96 r62.99
  circle w10: c196.85,314.92 r62.99
  circle w10: c196.85,3267.68 r62.99
  circle w10: c196.85,118.07 r62.99
  lines w6: 0,0 3937.01,0 3937.01,3425.2 0,3425.2 0,0

## Text inside footprints (layer, text, board x,y; h text height)
C9_Dx: Top Overlay "+" at 1915,1823.33 h50 r180
C9_Dy: Top Overlay "+" at 2700,2058.33 h50 r180
C9_Dz: Top Overlay "+" at 3512,1943.33 h50 r180
D2: Top Overlay "+" at 2967,1073.69 h30 r90
D3_Dx: Top Overlay "+" at 1420,1950 h30 r90
D3_Dy: Top Overlay "+" at 2195,1950 h30 r90
D3_Dz: Top Overlay "+" at 2965,1950 h30 r90
D4_Dx: Top Overlay "+" at 1251.7,1980 h30 r90
D4_Dy: Top Overlay "+" at 2020,1985 h30 r90
D4_Dz: Top Overlay "+" at 2810,1950 h30 r90
D5: Top Overlay "+" at 885,640 h30 r180
D6: Top Overlay "+" at 880.4,518.26 h30 r180
Dr1_Dx: Top Overlay "M3" at 1411.02,2327.5 h30; Top Overlay "M1" at 1611.02,2325 h30; Top Overlay "M2" at 1511.02,2327.5 h30; Top Overlay "VMOTOR 9" at 1551.02,3040 h20; Top Overlay "1 EN" at 1356.02,3040 h20
Dr1_Dy: Top Overlay "M3" at 2186.02,2327.5 h30; Top Overlay "M1" at 2386.02,2325 h30; Top Overlay "M2" at 2286.02,2327.5 h30; Top Overlay "VMOTOR 9" at 2326.02,3040 h20; Top Overlay "1 EN" at 2131.02,3040 h20
Dr1_Dz: Top Overlay "M3" at 2961.02,2327.5 h30; Top Overlay "M1" at 3161.02,2325 h30; Top Overlay "M2" at 3061.02,2327.5 h30; Top Overlay "VMOTOR 9" at 3101.02,3040 h20; Top Overlay "1 EN" at 2906.02,3040 h20
MD1: Top Overlay "*" at 60,1425 h30 r90; Top Overlay "*" at 60,1325 h30 r90